# EAGLE board makey_makey_panel_v13 (EAGLE 6.5.0), part 2 of 4
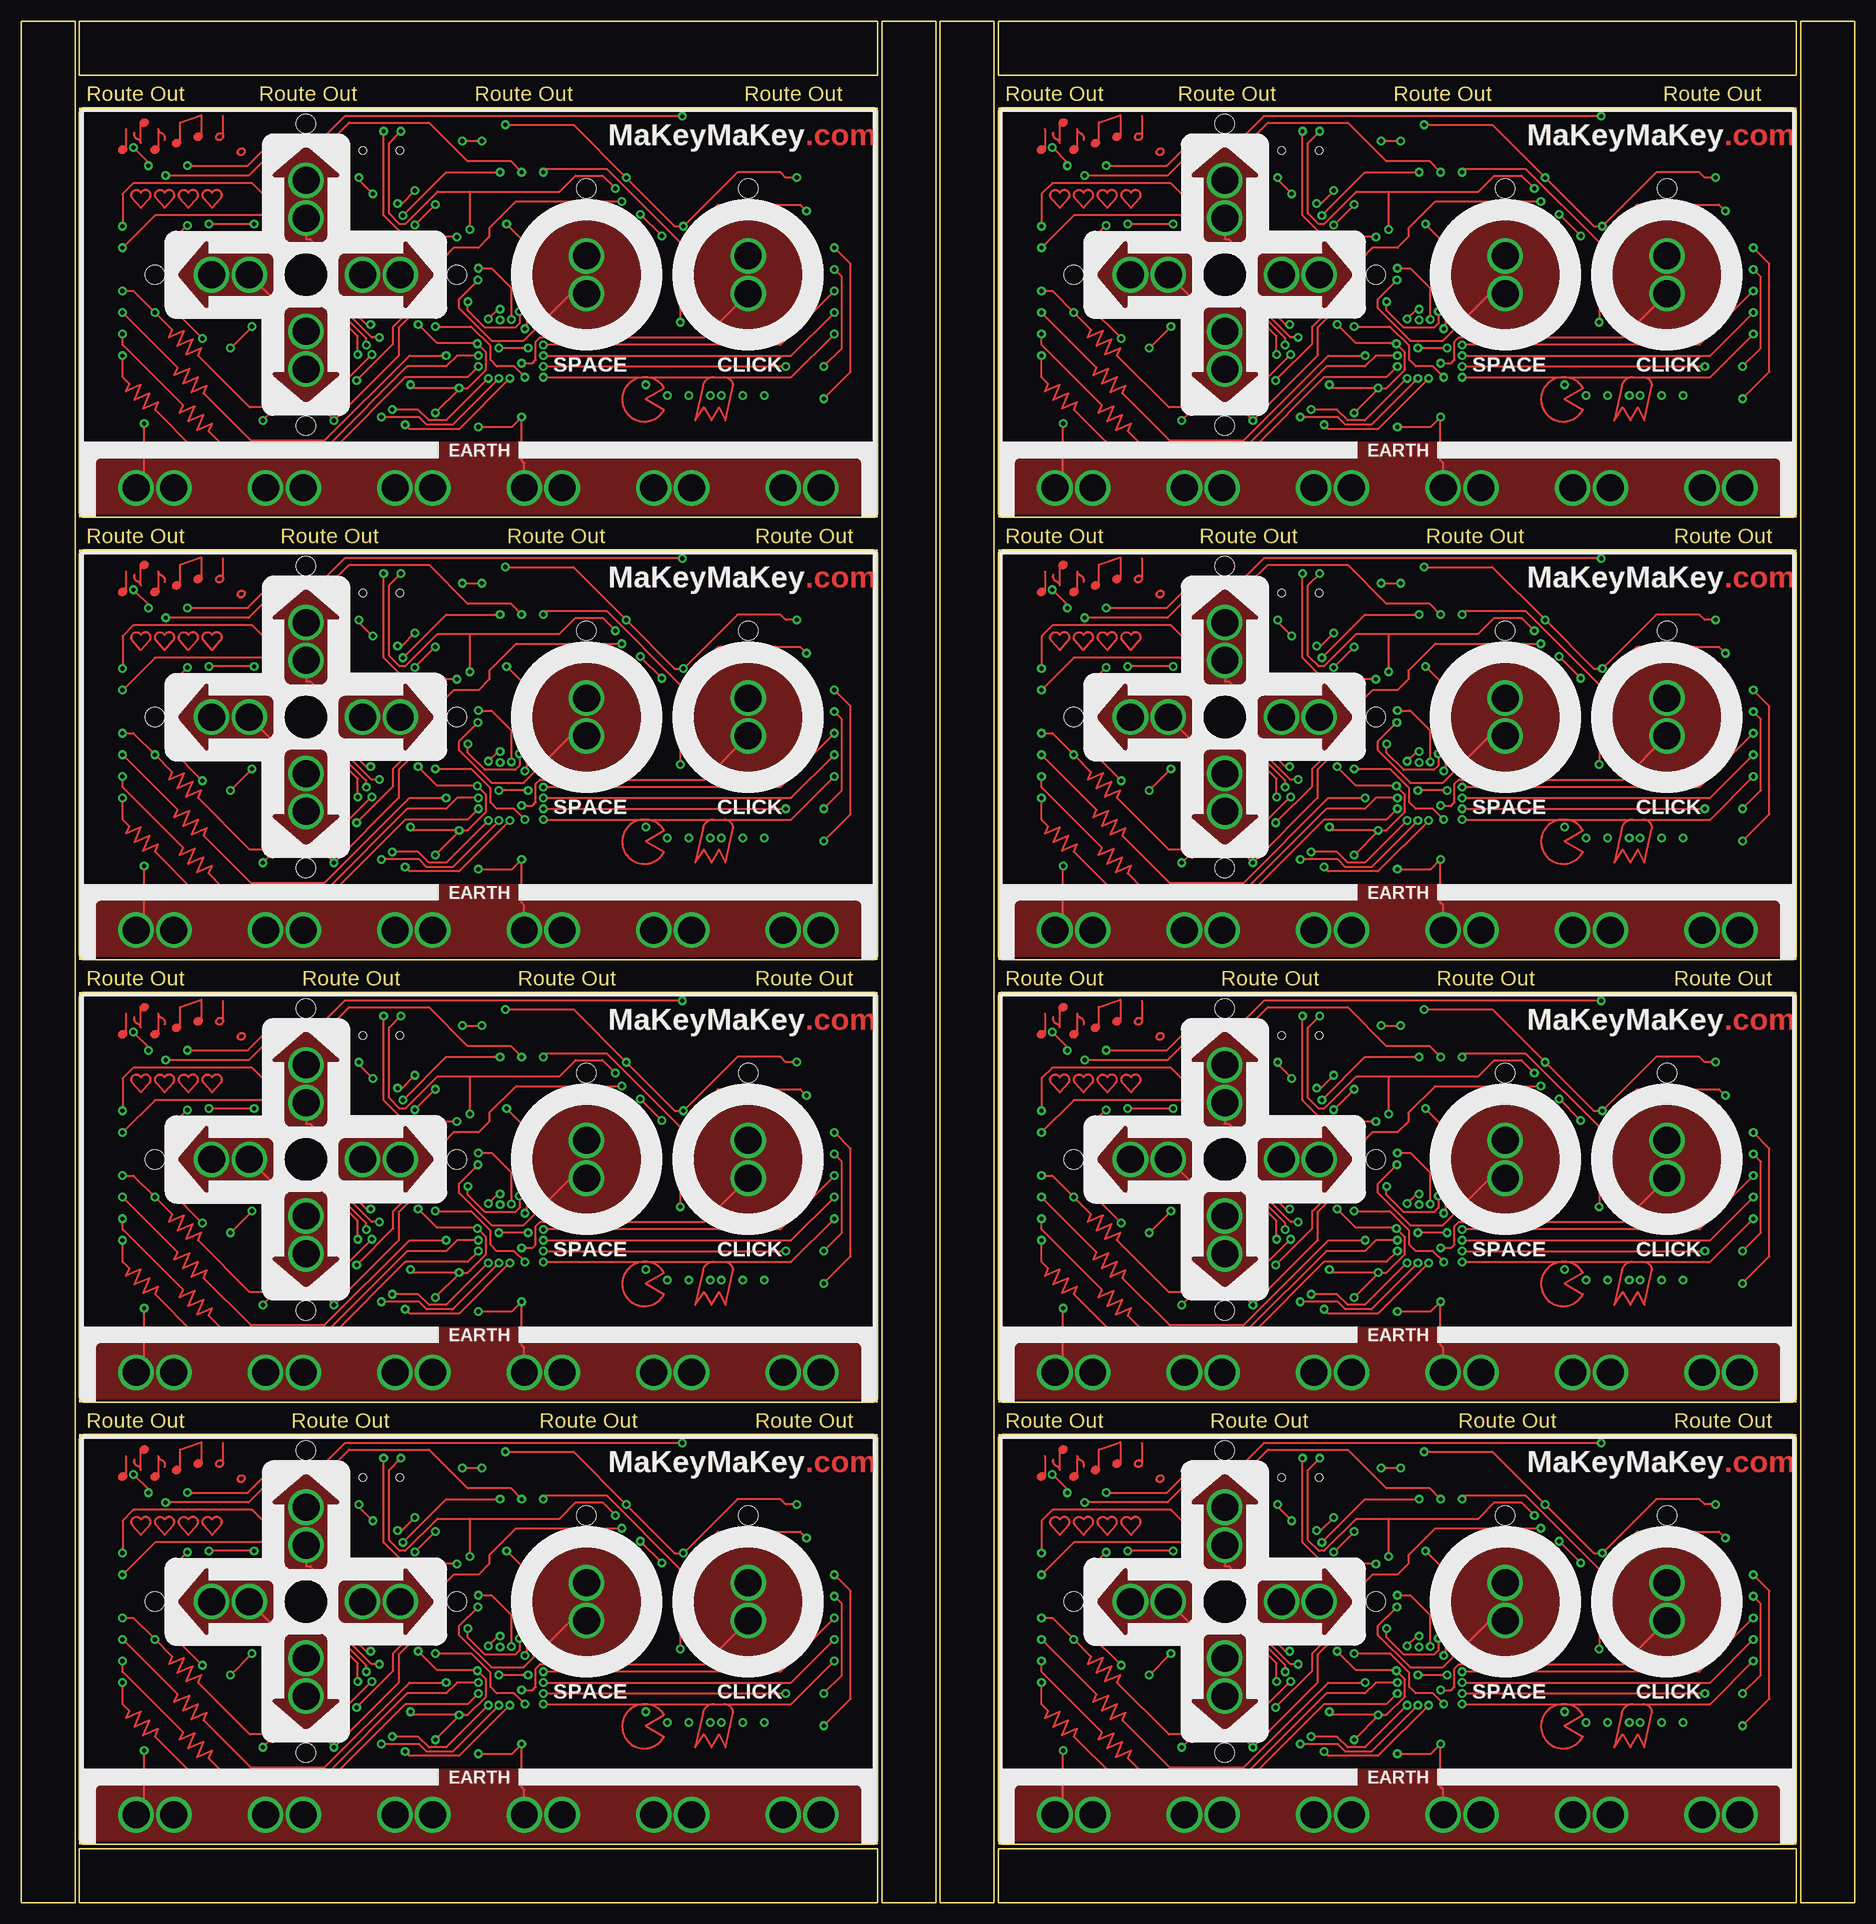
[diagram p0: board, top side]
## Tracks (layer width: path | path; a pad name or v marks a point on that pad's centre or on a via) (continued)
A7  (via drill 0.51) (continued)
  Top 0.254: v53.85,77.98 51.31,77.98 50.04,76.71 45.47,76.71 36.2,67.44 23.75,67.44 22.1,69.09 22.48,69.98 20.7,69.22 21.46,70.99 19.68,70.23 20.45,72.01 18.67,71.25 19.05,72.14 11.94,79.25 v11.94,80.52
  Bottom 0.254: JP24.2-2 11.94,81.79 | 11.94,81.79 JP24.2 | U2.37 53.52,77.65 v53.85,77.98 | 11.94,81.79 v11.94,80.52 14.48,80.52 16.26,78.74 R47.1
A8  (via drill 0.51)
  Top 0.254: v50.04,77.98 45.72,77.98 35.69,67.94 27.05,67.94 21.46,73.53 21.84,74.42 20.07,73.66 20.83,75.44 19.05,74.68 19.81,76.45 18.03,75.69 18.41,76.58 v11.94,83.06
  Bottom 0.254: JP24.3-2 11.94,84.33 | 11.94,84.33 JP24.3 | U2.38 50.51,78.45 v50.04,77.98 | 11.94,84.33 v11.94,83.06 14.48,83.06 16.26,81.28 R46.1
A9  (via drill 0.51)
  Top 0.254: v41.27,78.11 35.05,71.88 26.92,71.88 20.83,77.98 21.21,78.87 19.43,78.11 20.19,79.88 18.41,79.12 19.18,80.9 17.4,80.14 17.78,81.03 v15.75,83.06 13.21,85.6 v11.94,85.6
  Bottom 0.254: JP24.4 11.94,86.87 | 11.94,86.87 JP24.4-2 | U2.39 49.91,79.25 49.28,78.61 41.78,78.61 v41.27,78.11 | v11.94,85.6 11.94,86.87 | R45.1 16.51,83.82 v15.75,83.06
A10  (via drill 0.51)
  Top 0.254: v11.94,90.68 15.75,94.49 28.32,94.49 28.96,93.85 28.96,91.44 30.35,90.04 30.35,85.34 30.86,84.84 35.81,84.84 40.64,80.01 v40.64,79.25
  Bottom 0.254: JP24.5-2 11.94,89.41 | 11.94,89.41 JP24.5 | 11.94,89.41 v11.94,90.68 15.75,90.68 17.02,91.95 17.02,94.49 17.4,94.87 R50.1 | U2.40 49.82,80.05 49.02,79.25 v40.64,79.25
A11  (via drill 0.51)
  Top 0.254: v11.94,93.22 11.94,97.03 13.21,98.3 27.18,98.3 29.72,95.76 29.72,91.95 31.5,90.17 34.8,90.17 36.2,88.77 36.2,85.22 41.27,80.14 v42.16,80.14
  Bottom 0.254: JP24.6 11.94,91.95 | 11.94,91.95 JP24.6-2 | 11.94,91.95 v11.94,93.22 13.34,93.22 17.14,97.03 R49.1 | U2.41 49.73,80.85 48.77,79.88 42.42,79.88 v42.16,80.14
A12  (via drill 0.51)
  Top 0.254: v53.85,128.78 52.58,127.51 45.21,127.51 36.7,119 20.45,119 15.75,123.7 16.13,124.59 14.35,123.83 15.11,125.6 13.34,124.84 14.1,126.62 12.32,125.86 12.7,126.75 11.94,127.51 v11.94,130.05
  Bottom 0.254: JP37.1-2 11.94,131.32 | 11.94,131.32 JP37.1 | U3.36 53.71,128.92 v53.85,128.78 | 11.94,131.32 v11.94,130.05 13.72,128.27 R77.1
A13  (via drill 0.51)
  Top 0.254: v53.85,130.05 51.31,130.05 50.04,128.78 45.47,128.78 36.2,119.51 23.75,119.51 22.1,121.16 22.48,122.05 20.7,121.28 21.46,123.06 19.68,122.3 20.45,124.08 18.67,123.32 19.05,124.21 11.94,131.32 v11.94,132.59
  Bottom 0.254: JP37.2-2 11.94,133.86 | 11.94,133.86 JP37.2 | U3.37 53.52,129.72 v53.85,130.05 | 11.94,133.86 v11.94,132.59 14.48,132.59 16.26,130.81 R76.1
A14  (via drill 0.51)
  Top 0.254: v50.04,130.05 45.72,130.05 35.69,120.02 27.05,120.02 21.46,125.6 21.84,126.49 20.07,125.73 20.83,127.51 19.05,126.75 19.81,128.52 18.03,127.76 18.41,128.65 v11.94,135.13
  Bottom 0.254: JP37.3-2 11.94,136.4 | 11.94,136.4 JP37.3 | U3.38 50.51,130.52 v50.04,130.05 | 11.94,136.4 v11.94,135.13 14.48,135.13 16.26,133.35 R75.1
A15  (via drill 0.51)
  Top 0.254: v41.27,130.18 35.05,123.95 26.92,123.95 20.83,130.05 21.21,130.94 19.43,130.18 20.19,131.95 18.41,131.19 19.18,132.97 17.4,132.21 17.78,133.1 v15.75,135.13 13.21,137.67 v11.94,137.67
  Bottom 0.254: JP37.4 11.94,138.94 | 11.94,138.94 JP37.4-2 | U3.39 49.91,131.32 49.28,130.68 41.78,130.68 v41.27,130.18 | v11.94,137.67 11.94,138.94 | R74.1 16.51,135.89 v15.75,135.13
A16  (via drill 0.51)
  Top 0.254: v11.94,142.75 15.75,146.56 28.32,146.56 28.96,145.92 28.96,143.51 30.35,142.11 30.35,137.41 30.86,136.91 35.81,136.91 40.64,132.08 v40.64,131.32
  Bottom 0.254: JP37.5-2 11.94,141.48 | 11.94,141.48 JP37.5 | 11.94,141.48 v11.94,142.75 15.75,142.75 17.02,144.02 17.02,146.56 17.4,146.94 R79.1 | U3.40 49.82,132.12 49.02,131.32 v40.64,131.32
A17  (via drill 0.51)
  Top 0.254: v11.94,145.29 11.94,149.1 13.21,150.37 27.18,150.37 29.72,147.83 29.72,144.02 31.5,142.24 34.8,142.24 36.2,140.84 36.2,137.29 41.27,132.21 v42.16,132.21
  Bottom 0.254: JP37.6 11.94,144.02 | 11.94,144.02 JP37.6-2 | 11.94,144.02 v11.94,145.29 13.34,145.29 17.14,149.1 R78.1 | U3.41 49.73,132.92 48.77,131.95 42.42,131.95 v42.16,132.21
A18  (via drill 0.51)
  Top 0.254: v53.85,180.85 52.58,179.58 45.21,179.58 36.7,171.07 20.45,171.07 15.75,175.77 16.13,176.66 14.35,175.9 15.11,177.67 13.34,176.91 14.1,178.69 12.32,177.93 12.7,178.82 11.94,179.58 v11.94,182.12
  Bottom 0.254: JP50.1-2 11.94,183.39 | 11.94,183.39 JP50.1 | U4.36 53.71,180.99 v53.85,180.85 | 11.94,183.39 v11.94,182.12 13.72,180.34 R106.1
A19  (via drill 0.51)
  Top 0.254: v53.85,182.12 51.31,182.12 50.04,180.85 45.47,180.85 36.2,171.58 23.75,171.58 22.1,173.23 22.48,174.12 20.7,173.35 21.46,175.13 19.68,174.37 20.45,176.15 18.67,175.39 19.05,176.28 11.94,183.39 v11.94,184.66
  Bottom 0.254: JP50.2-2 11.94,185.93 | 11.94,185.93 JP50.2 | U4.37 53.52,181.79 v53.85,182.12 | 11.94,185.93 v11.94,184.66 14.48,184.66 16.26,182.88 R105.1
A20  (via drill 0.51)
  Top 0.254: v50.04,182.12 45.72,182.12 35.69,172.09 27.05,172.09 21.46,177.67 21.84,178.56 20.07,177.8 20.83,179.58 19.05,178.82 19.81,180.59 18.03,179.83 18.41,180.72 v11.94,187.2
  Bottom 0.254: JP50.3-2 11.94,188.47 | 11.94,188.47 JP50.3 | U4.38 50.51,182.59 v50.04,182.12 | 11.94,188.47 v11.94,187.2 14.48,187.2 16.26,185.42 R104.1
A21  (via drill 0.51)
  Top 0.254: v41.27,182.25 35.05,176.02 26.92,176.02 20.83,182.12 21.21,183.01 19.43,182.25 20.19,184.02 18.41,183.26 19.18,185.04 17.4,184.28 17.78,185.17 v15.75,187.2 13.21,189.74 v11.94,189.74
  Bottom 0.254: JP50.4 11.94,191.01 | 11.94,191.01 JP50.4-2 | U4.39 49.91,183.39 49.28,182.75 41.78,182.75 v41.27,182.25 | v11.94,189.74 11.94,191.01 | R103.1 16.51,187.96 v15.75,187.2
A22  (via drill 0.51)
  Top 0.254: v11.94,194.82 15.75,198.63 28.32,198.63 28.96,197.99 28.96,195.58 30.35,194.18 30.35,189.48 30.86,188.98 35.81,188.98 40.64,184.15 v40.64,183.39
  Bottom 0.254: JP50.5-2 11.94,193.55 | 11.94,193.55 JP50.5 | 11.94,193.55 v11.94,194.82 15.75,194.82 17.02,196.09 17.02,198.63 17.4,199.01 R108.1 | U4.40 49.82,184.19 49.02,183.39 v40.64,183.39
A23  (via drill 0.51)
  Top 0.254: v11.94,197.36 11.94,201.17 13.21,202.44 27.18,202.44 29.72,199.9 29.72,196.09 31.5,194.31 34.8,194.31 36.2,192.91 36.2,189.36 41.27,184.28 v42.16,184.28
  Bottom 0.254: JP50.6 11.94,196.09 | 11.94,196.09 JP50.6-2 | 11.94,196.09 v11.94,197.36 13.34,197.36 17.14,201.17 R107.1 | U4.41 49.73,184.99 48.77,184.02 42.42,184.02 v42.16,184.28
A24  (via drill 0.51)
  Top 0.254: v162.05,24.64 160.78,23.37 153.42,23.37 144.91,14.86 128.65,14.86 123.95,19.56 124.33,20.45 122.56,19.68 123.32,21.46 121.54,20.7 122.3,22.48 120.52,21.72 120.9,22.61 120.14,23.37 v120.14,25.91
  Bottom 0.254: JP63.1-2 120.14,27.18 | 120.14,27.18 JP63.1 | U5.36 161.91,24.78 v162.05,24.64 | 120.14,27.18 v120.14,25.91 121.92,24.13 R135.1
A25  (via drill 0.51)
  Top 0.254: v162.05,25.91 159.51,25.91 158.24,24.64 153.67,24.64 144.4,15.37 131.95,15.37 130.3,17.02 130.68,17.91 128.91,17.14 129.67,18.92 127.89,18.16 128.65,19.94 126.87,19.18 127.25,20.07 120.14,27.18 v120.14,28.45
  Bottom 0.254: JP63.2-2 120.14,29.72 | 120.14,29.72 JP63.2 | U5.37 161.72,25.58 v162.05,25.91 | 120.14,29.72 v120.14,28.45 122.68,28.45 124.46,26.67 R134.1
A26  (via drill 0.51)
  Top 0.254: v158.24,25.91 153.92,25.91 143.89,15.88 135.25,15.88 129.67,21.46 130.05,22.35 128.27,21.59 129.03,23.37 127.25,22.61 128.02,24.38 126.24,23.62 126.62,24.51 v120.14,30.99
  Bottom 0.254: JP63.3-2 120.14,32.26 | 120.14,32.26 JP63.3 | U5.38 158.71,26.38 v158.24,25.91 | 120.14,32.26 v120.14,30.99 122.68,30.99 124.46,29.21 R133.1
A27  (via drill 0.51)
  Top 0.254: v149.48,26.04 143.26,19.81 135.13,19.81 129.03,25.91 129.41,26.8 127.64,26.04 128.4,27.81 126.62,27.05 127.38,28.83 125.6,28.07 125.98,28.96 v123.95,30.99 121.41,33.53 v120.14,33.53
  Bottom 0.254: JP63.4 120.14,34.8 | 120.14,34.8 JP63.4-2 | U5.39 158.12,27.18 157.48,26.54 149.99,26.54 v149.48,26.04 | v120.14,33.53 120.14,34.8 | R132.1 124.71,31.75 v123.95,30.99
A28  (via drill 0.51)
  Top 0.254: v120.14,38.61 123.95,42.42 136.53,42.42 137.16,41.78 137.16,39.37 138.56,37.97 138.56,33.27 139.06,32.77 144.02,32.77 148.84,27.94 v148.84,27.18
  Bottom 0.254: JP63.5-2 120.14,37.34 | 120.14,37.34 JP63.5 | 120.14,37.34 v120.14,38.61 123.95,38.61 125.22,39.88 125.22,42.42 125.6,42.8 R137.1 | U5.40 158.03,27.98 157.23,27.18 v148.84,27.18
A29  (via drill 0.51)
  Top 0.254: v120.14,41.15 120.14,44.96 121.41,46.23 135.38,46.23 137.92,43.69 137.92,39.88 139.7,38.1 143,38.1 144.4,36.7 144.4,33.15 149.48,28.07 v150.37,28.07
  Bottom 0.254: JP63.6 120.14,39.88 | 120.14,39.88 JP63.6-2 | 120.14,39.88 v120.14,41.15 121.54,41.15 125.35,44.96 R136.1 | U5.41 157.94,28.78 156.97,27.81 150.62,27.81 v150.37,28.07
A30  (via drill 0.51)
  Top 0.254: v162.05,76.71 160.78,75.44 153.42,75.44 144.91,66.93 128.65,66.93 123.95,71.63 124.33,72.52 122.56,71.75 123.32,73.53 121.54,72.77 122.3,74.55 120.52,73.79 120.9,74.68 120.14,75.44 v120.14,77.98
  Bottom 0.254: JP76.1-2 120.14,79.25 | 120.14,79.25 JP76.1 | U6.36 161.91,76.85 v162.05,76.71 | 120.14,79.25 v120.14,77.98 121.92,76.2 R164.1
A31  (via drill 0.51)
  Top 0.254: v162.05,77.98 159.51,77.98 158.24,76.71 153.67,76.71 144.4,67.44 131.95,67.44 130.3,69.09 130.68,69.98 128.91,69.22 129.67,70.99 127.89,70.23 128.65,72.01 126.87,71.25 127.25,72.14 120.14,79.25 v120.14,80.52
  Bottom 0.254: JP76.2-2 120.14,81.79 | 120.14,81.79 JP76.2 | U6.37 161.72,77.65 v162.05,77.98 | 120.14,81.79 v120.14,80.52 122.68,80.52 124.46,78.74 R163.1
A32  (via drill 0.51)
  Top 0.254: v158.24,77.98 153.92,77.98 143.89,67.94 135.25,67.94 129.67,73.53 130.05,74.42 128.27,73.66 129.03,75.44 127.25,74.68 128.02,76.45 126.24,75.69 126.62,76.58 v120.14,83.06
  Bottom 0.254: JP76.3-2 120.14,84.33 | 120.14,84.33 JP76.3 | U6.38 158.71,78.45 v158.24,77.98 | 120.14,84.33 v120.14,83.06 122.68,83.06 124.46,81.28 R162.1
A33  (via drill 0.51)
  Top 0.254: v149.48,78.11 143.26,71.88 135.13,71.88 129.03,77.98 129.41,78.87 127.64,78.11 128.4,79.88 126.62,79.12 127.38,80.9 125.6,80.14 125.98,81.03 v123.95,83.06 121.41,85.6 v120.14,85.6
  Bottom 0.254: JP76.4 120.14,86.87 | 120.14,86.87 JP76.4-2 | U6.39 158.12,79.25 157.48,78.61 149.99,78.61 v149.48,78.11 | v120.14,85.6 120.14,86.87 | R161.1 124.71,83.82 v123.95,83.06
A34  (via drill 0.51)
  Top 0.254: v120.14,90.68 123.95,94.49 136.53,94.49 137.16,93.85 137.16,91.44 138.56,90.04 138.56,85.34 139.06,84.84 144.02,84.84 148.84,80.01 v148.84,79.25
  Bottom 0.254: JP76.5-2 120.14,89.41 | 120.14,89.41 JP76.5 | 120.14,89.41 v120.14,90.68 123.95,90.68 125.22,91.95 125.22,94.49 125.6,94.87 R166.1 | U6.40 158.03,80.05 157.23,79.25 v148.84,79.25
A35  (via drill 0.51)
  Top 0.254: v120.14,93.22 120.14,97.03 121.41,98.3 135.38,98.3 137.92,95.76 137.92,91.95 139.7,90.17 143,90.17 144.4,88.77 144.4,85.22 149.48,80.14 v150.37,80.14
  Bottom 0.254: JP76.6 120.14,91.95 | 120.14,91.95 JP76.6-2 | 120.14,91.95 v120.14,93.22 121.54,93.22 125.35,97.03 R165.1 | U6.41 157.94,80.85 156.97,79.88 150.62,79.88 v150.37,80.14
A36  (via drill 0.51)
  Top 0.254: v162.05,128.78 160.78,127.51 153.42,127.51 144.91,119 128.65,119 123.95,123.7 124.33,124.59 122.56,123.83 123.32,125.6 121.54,124.84 122.3,126.62 120.52,125.86 120.9,126.75 120.14,127.51 v120.14,130.05
  Bottom 0.254: JP89.1-2 120.14,131.32 | 120.14,131.32 JP89.1 | U7.36 161.91,128.92 v162.05,128.78 | 120.14,131.32 v120.14,130.05 121.92,128.27 R193.1
A37  (via drill 0.51)
  Top 0.254: v162.05,130.05 159.51,130.05 158.24,128.78 153.67,128.78 144.4,119.51 131.95,119.51 130.3,121.16 130.68,122.05 128.91,121.28 129.67,123.06 127.89,122.3 128.65,124.08 126.87,123.32 127.25,124.21 120.14,131.32 v120.14,132.59
  Bottom 0.254: JP89.2-2 120.14,133.86 | 120.14,133.86 JP89.2 | U7.37 161.72,129.72 v162.05,130.05 | 120.14,133.86 v120.14,132.59 122.68,132.59 124.46,130.81 R192.1
A38  (via drill 0.51)
  Top 0.254: v158.24,130.05 153.92,130.05 143.89,120.02 135.25,120.02 129.67,125.6 130.05,126.49 128.27,125.73 129.03,127.51 127.25,126.75 128.02,128.52 126.24,127.76 126.62,128.65 v120.14,135.13
  Bottom 0.254: JP89.3-2 120.14,136.4 | 120.14,136.4 JP89.3 | U7.38 158.71,130.52 v158.24,130.05 | 120.14,136.4 v120.14,135.13 122.68,135.13 124.46,133.35 R191.1
A39  (via drill 0.51)
  Top 0.254: v149.48,130.18 143.26,123.95 135.13,123.95 129.03,130.05 129.41,130.94 127.64,130.18 128.4,131.95 126.62,131.19 127.38,132.97 125.6,132.21 125.98,133.1 v123.95,135.13 121.41,137.67 v120.14,137.67
  Bottom 0.254: JP89.4 120.14,138.94 | 120.14,138.94 JP89.4-2 | U7.39 158.12,131.32 157.48,130.68 149.99,130.68 v149.48,130.18 | v120.14,137.67 120.14,138.94 | R190.1 124.71,135.89 v123.95,135.13
A40  (via drill 0.51)
  Top 0.254: v120.14,142.75 123.95,146.56 136.53,146.56 137.16,145.92 137.16,143.51 138.56,142.11 138.56,137.41 139.06,136.91 144.02,136.91 148.84,132.08 v148.84,131.32
  Bottom 0.254: JP89.5-2 120.14,141.48 | 120.14,141.48 JP89.5 | 120.14,141.48 v120.14,142.75 123.95,142.75 125.22,144.02 125.22,146.56 125.6,146.94 R195.1 | U7.40 158.03,132.12 157.23,131.32 v148.84,131.32
A41  (via drill 0.51)
  Top 0.254: v120.14,145.29 120.14,149.1 121.41,150.37 135.38,150.37 137.92,147.83 137.92,144.02 139.7,142.24 143,142.24 144.4,140.84 144.4,137.29 149.48,132.21 v150.37,132.21
  Bottom 0.254: JP89.6 120.14,144.02 | 120.14,144.02 JP89.6-2 | 120.14,144.02 v120.14,145.29 121.54,145.29 125.35,149.1 R194.1 | U7.41 157.94,132.92 156.97,131.95 150.62,131.95 v150.37,132.21
A42  (via drill 0.51)
  Top 0.254: v162.05,180.85 160.78,179.58 153.42,179.58 144.91,171.07 128.65,171.07 123.95,175.77 124.33,176.66 122.56,175.9 123.32,177.67 121.54,176.91 122.3,178.69 120.52,177.93 120.9,178.82 120.14,179.58 v120.14,182.12
  Bottom 0.254: JP102.1-2 120.14,183.39 | 120.14,183.39 JP102.1 | U8.36 161.91,180.99 v162.05,180.85 | 120.14,183.39 v120.14,182.12 121.92,180.34 R222.1
A43  (via drill 0.51)
  Top 0.254: v162.05,182.12 159.51,182.12 158.24,180.85 153.67,180.85 144.4,171.58 131.95,171.58 130.3,173.23 130.68,174.12 128.91,173.35 129.67,175.13 127.89,174.37 128.65,176.15 126.87,175.39 127.25,176.28 120.14,183.39 v120.14,184.66
  Bottom 0.254: JP102.2-2 120.14,185.93 | 120.14,185.93 JP102.2 | U8.37 161.72,181.79 v162.05,182.12 | 120.14,185.93 v120.14,184.66 122.68,184.66 124.46,182.88 R221.1
A44  (via drill 0.51)
  Top 0.254: v158.24,182.12 153.92,182.12 143.89,172.09 135.25,172.09 129.67,177.67 130.05,178.56 128.27,177.8 129.03,179.58 127.25,178.82 128.02,180.59 126.24,179.83 126.62,180.72 v120.14,187.2
  Bottom 0.254: JP102.3-2 120.14,188.47 | 120.14,188.47 JP102.3 | U8.38 158.71,182.59 v158.24,182.12 | 120.14,188.47 v120.14,187.2 122.68,187.2 124.46,185.42 R220.1
A45  (via drill 0.51)
  Top 0.254: v149.48,182.25 143.26,176.02 135.13,176.02 129.03,182.12 129.41,183.01 127.64,182.25 128.4,184.02 126.62,183.26 127.38,185.04 125.6,184.28 125.98,185.17 v123.95,187.2 121.41,189.74 v120.14,189.74
  Bottom 0.254: JP102.4 120.14,191.01 | 120.14,191.01 JP102.4-2 | U8.39 158.12,183.39 157.48,182.75 149.99,182.75 v149.48,182.25 | v120.14,189.74 120.14,191.01 | R219.1 124.71,187.96 v123.95,187.2
A46  (via drill 0.51)
  Top 0.254: v120.14,194.82 123.95,198.63 136.53,198.63 137.16,197.99 137.16,195.58 138.56,194.18 138.56,189.48 139.06,188.98 144.02,188.98 148.84,184.15 v148.84,183.39
  Bottom 0.254: JP102.5-2 120.14,193.55 | 120.14,193.55 JP102.5 | 120.14,193.55 v120.14,194.82 123.95,194.82 125.22,196.09 125.22,198.63 125.6,199.01 R224.1 | U8.40 158.03,184.19 157.23,183.39 v148.84,183.39
A47  (via drill 0.51)
  Top 0.254: v120.14,197.36 120.14,201.17 121.41,202.44 135.38,202.44 137.92,199.9 137.92,196.09 139.7,194.31 143,194.31 144.4,192.91 144.4,189.36 149.48,184.28 v150.37,184.28
  Bottom 0.254: JP102.6 120.14,196.09 | 120.14,196.09 JP102.6-2 | 120.14,196.09 v120.14,197.36 121.54,197.36 125.35,201.17 R223.1 | U8.41 157.94,184.99 156.97,184.02 150.62,184.02 v150.37,184.28
AREF
  Bottom 0.254: 50.04,29.72 C1.2 50.34,29.58 U1.42
AREF1
  Bottom 0.254: 50.04,81.79 C9.2 50.34,81.65 U2.42
AREF2
  Bottom 0.254: 50.04,133.86 C17.2 50.34,133.72 U3.42
AREF3
  Bottom 0.254: 50.04,185.93 C25.2 50.34,185.79 U4.42
AREF4
  Bottom 0.254: 158.24,29.72 C33.2 158.55,29.58 U5.42
AREF5
  Bottom 0.254: 158.24,81.79 C41.2 158.55,81.65 U6.42
AREF6
  Bottom 0.254: 158.24,133.86 C49.2 158.55,133.72 U7.42
AREF7
  Bottom 0.254: 158.24,185.93 C57.2 158.55,185.79 U8.42
D0  (via drill 0.51)
  Top 0.254: v61.47,24.64 v90.04,24.64
  Bottom 0.254: U1.20 61.61,24.78 v61.47,24.64 | JP13.6-2 JP13.6 90.68,27.18 90.26,26.76 R10.1 90.26,24.85 v90.04,24.64
D1  (via drill 0.51)
  Top 0.254: 82.8,23.37 90.68,23.37 v95.76,28.45 | 81.53,23.37 arc77 80.26,22.35 79.38,18.29 80.39,19.81 81.28,18.29 82.17,19.81 82.93,18.29 83.82,22.35 arc90 82.8,23.37 | v61.47,23.37 73.41,23.37 | 73.41,23.37 73.53,23.37 | 73.53,23.37 82.8,23.37 | 73.41,23.37 arc243 75.69,19.56 73.53,20.83 75.69,22.1 arc60 73.53,23.37
  Bottom 0.254: U1.21 62.08,23.98 v61.47,23.37 | JP13.5 95.76,29.72 | 95.76,29.72 JP13.5-2 90.68,29.72 90.26,29.3 R11.1 | v95.76,28.45 95.76,29.72
D2  (via drill 0.51)
  Top 0.254: v61.47,25.91 90.68,25.91 v95.76,30.99
  Bottom 0.254: U1.19 61.8,25.58 v61.47,25.91 | v95.76,30.99 95.76,32.26 | 95.76,32.26 JP13.4-2 | 95.76,32.26 JP13.4 90.68,32.26 90.26,31.84 R12.1
D3  (via drill 0.51)
  Top 0.254: v95.76,33.53 89.41,27.18 v61.47,27.18
  Bottom 0.254: U1.18 62.27,26.38 v61.47,27.18 | 95.76,34.8 JP13.3-2 90.68,34.8 90.26,34.38 R13.1 | 95.76,34.8 JP13.3 | v95.76,33.53 95.76,34.8
D4  (via drill 0.51)
  Top 0.254: v94.49,24.64 96.65,26.8 96.65,35.18 v95.76,36.07
  Bottom 0.254: 95.76,37.34 JP13.2 90.68,37.34 90.26,36.92 R14.1 | 95.76,37.34 JP13.2-2 | v94.49,24.64 88.14,18.29 62.61,18.29 60.83,20.07 60.43,20.07 60.06,20.43 U1.25 | v95.76,36.07 95.76,37.34
D5  (via drill 0.51)
  Top 0.254: v94.49,20.83 97.66,24 97.66,36.7 v95.76,38.61
  Bottom 0.254: v94.49,20.83 90.68,17.02 57.15,17.02 56.39,17.78 56.39,19.56 55.26,20.69 U1.31 | 95.76,39.88 JP13.1-2 90.68,39.88 90.26,39.46 R15.1 | 95.76,39.88 JP13.1 | v95.76,38.61 95.76,39.88
D6  (via drill 0.51)
  Top 0.254: v58.93,25.02 60.2,25.02 60.58,25.4 60.58,27.56 61.09,28.07 80.45,28.07 CLICK.1@0
  Bottom 0.254: U1.27 58.46,24.55 v58.93,25.02 | CLICK.1@0 82.11,33.21 81.79,33.53 R29.1
  pour Top (no thermals): 79.25,35.43 arc-90 85.6,41.78 arc-90 91.95,35.43 arc-90 85.6,29.08 arc-90
D7  (via drill 0.51)
  Top 0.254: v53.78,34.8 51.56,32.58 51.56,31.5 55.37,27.69 59.18,27.69 64.71,33.21 SPACE.1@0
  Bottom 0.254: U1.1 53.66,34.67 v53.78,34.8 | SPACE.1@0 70.04,33.21 70.36,33.53 R28.1
  pour Top (no thermals): 60.2,35.43 arc-90 66.55,41.78 arc-90 72.9,35.43 arc-90 66.55,29.08 arc-90
D8  (via drill 0.51)
  Top 0.254: v57.53,23.24 51.56,17.27 45.72,17.27 v45.21,17.78
  Bottom 0.254: U1.28 57.66,23.11 v57.53,23.24 | v45.21,17.78 45.21,19.56 40.45,24.32 DOWN.1@2 | DOWN.1@0 33.53,29.72 36.07,32.26 36.07,33.49 R26.1
  pour Top (no thermals): 36.07,24 36.07,30.81 arc90 35.25,31.62 31.8,31.62 arc90 30.99,30.81 30.99,24 29.85,24 arc139 29.67,23.5 33.11,20.55 arc81 33.94,20.55 37.39,23.5 arc139 37.21,24
D9  (via drill 0.51)
  Top 0.254: v56.26,23.24 50.8,17.78 47.75,17.78 46.86,18.67 v42.42,18.67
  Bottom 0.254: U1.29 56.86,22.64 v56.26,23.24 | v42.42,18.67 41.53,18.67 41.15,18.29 R20.1
D10  (via drill 0.51)
  Top 0.254: v54.99,23.24 50.04,18.29 48.01,18.29 46.74,19.56 v43.69,19.56
  Bottom 0.254: U1.30 56.06,22.17 v54.99,23.24 | R21.1 v43.69,19.56
D11  (via drill 0.51)
  Top 0.254: v57.72,30.16 57.72,33.84 55.37,36.2 v53.85,36.2
  Bottom 0.254: U1.12 60.39,31.18 59.37,30.16 v57.72,30.16 | v53.85,36.2 R22.1
D12  (via drill 0.51)
  Top 0.254: v59.31,23.37 58.04,24.64 56.01,24.64 55.24,25.4 55.24,27.05 52.96,29.34 v48.77,29.34 | v41.15,29.59 40.64,29.59 36.96,33.27 36.96,36.7 34.04,39.62 33.53,39.62 UP.1@2
  Bottom 0.254: U1.26 59.26,23.32 v59.31,23.37 | v48.77,29.34 48.01,28.57 44.45,28.57 43.43,29.59 v41.15,29.59 | UP.1@2 33.53,41.15 30.99,38.61 30.99,37.38 R24.1
  pour Top (no thermals): 30.99,46.86 30.99,40.06 arc90 31.8,39.24 35.25,39.24 arc90 36.07,40.06 36.07,46.86 37.21,46.86 arc139 37.39,47.36 33.94,50.32 arc81 33.11,50.32 29.67,47.36 arc139 29.85,46.86
D13  (via drill 0.51)
  Top 0.254: v39.62,26.04 39.62,28.19 35.69,32.13 30.16,32.13 LEFT.1@0
  Bottom 0.254: U1.32 54.46,20.42 54.23,20.19 45.47,20.19 v39.62,26.04 | R25.1 28.77,33.53 LEFT.1@0
  pour Top (no thermals): 22.1,32.89 28.9,32.89 arc90 29.72,33.71 29.72,37.16 arc90 28.9,37.97 22.1,37.97 22.1,39.11 arc139 21.6,39.3 18.64,35.85 arc81 18.64,35.02 21.6,31.57 arc139 22.1,31.76
D14
  Bottom 0.254: JP14.6 JP14.6-2 | JP14.6 62.74,48.77 | U1.11 61.66,42.61 62.74,43.69 JP14.6
D15  (via drill 0.51)
  Top 0.254: v58.67,31.11 58.67,29.72 58.17,29.21 54.61,29.21 52.58,31.24 v52.58,32.26 | v48.77,43.69 v46.35,41.27
  Bottom 0.254: U1.9 60.06,31.74 59.44,31.11 v58.67,31.11 | v52.58,32.26 51.94,32.26 51.69,32.51 47.56,32.51 RIGHT.1@0 46.35,37.15 v46.35,41.27 | JP14.1 JP14.1-2 50.04,44.96 v48.77,43.69 | RIGHT.1@2 36.7,35.43 36.07,36.07 36.07,37.3 R27.1
  pour Top (no thermals): 44.96,37.97 38.15,37.97 arc90 37.34,37.16 37.34,33.71 arc90 38.15,32.89 44.96,32.89 44.96,31.76 arc139 45.46,31.57 48.41,35.02 arc81 48.41,35.85 45.46,39.3 arc139 44.96,39.11
D16
  Bottom 0.203: JP14.5 60.07,49.15
  Bottom 0.254: JP14.5 JP14.5-2 60.2,43.31 60.86,42.65 U1.10
D17  (via drill 0.51)
  Top 0.254: v17.02,47.12 26.8,47.12 30.61,50.93 36.2,50.93 38.61,53.34 48.01,53.34 52.58,48.77 57.66,48.77 v58.93,47.5
  Bottom 0.254: U1.8 59.26,34.11 59.56,34.42 59.56,43.05 58.93,43.69 v58.93,47.5 58.93,50.04 59.44,50.55 60.83,50.55 60.95,50.66 LED10.C | LED8.C 11.19,42.94 11.94,43.69 13.59,43.69 v17.02,47.12
D18
  Bottom 0.203: JP26.5 60.07,101.22
  Bottom 0.254: JP26.5 JP26.5-2 60.2,95.38 60.86,94.72 U2.10
D19
  Bottom 0.254: JP26.6 JP26.6-2 | JP26.6 62.74,100.84 | U2.11 61.66,94.68 62.74,95.76 JP26.6
D20  (via drill 0.51)
  Top 0.254: v58.67,83.19 58.67,81.79 58.17,81.28 54.61,81.28 52.58,83.31 v52.58,84.33 | v48.77,95.76 v46.35,93.34
  Bottom 0.254: U2.9 60.06,83.81 59.44,83.19 v58.67,83.19 | v52.58,84.33 51.94,84.33 51.69,84.58 47.56,84.58 RIGHT1.1@0 46.35,89.22 v46.35,93.34 | JP26.1 JP26.1-2 50.04,97.03 v48.77,95.76 | RIGHT1.1@2 36.7,87.5 36.07,88.14 36.07,89.37 R35.1
  pour Top (no thermals): 44.96,90.04 38.15,90.04 arc90 37.34,89.23 37.34,85.78 arc90 38.15,84.96 44.96,84.96 44.96,83.83 arc139 45.46,83.64 48.41,87.09 arc81 48.41,87.92 45.46,91.37 arc139 44.96,91.18
D21  (via drill 0.51)
  Top 0.254: v61.47,76.71 v90.04,76.71
  Bottom 0.254: U2.20 61.61,76.85 v61.47,76.71 | JP25.6-2 JP25.6 90.68,79.25 90.26,78.83 R44.1 90.26,76.92 v90.04,76.71
D22  (via drill 0.51)
  Top 0.254: 82.8,75.44 90.68,75.44 v95.76,80.52 | 81.53,75.44 arc77 80.26,74.42 79.38,70.36 80.39,71.88 81.28,70.36 82.17,71.88 82.93,70.36 83.82,74.42 arc90 82.8,75.44 | v61.47,75.44 73.41,75.44 | 73.41,75.44 73.53,75.44 | 73.53,75.44 82.8,75.44 | 73.41,75.44 arc243 75.69,71.63 73.53,72.9 75.69,74.17 arc60 73.53,75.44
  Bottom 0.254: U2.21 62.08,76.05 v61.47,75.44 | JP25.5 95.76,81.79 | 95.76,81.79 JP25.5-2 90.68,81.79 90.26,81.37 R43.1 | v95.76,80.52 95.76,81.79
D23  (via drill 0.51)
  Top 0.254: v61.47,77.98 90.68,77.98 v95.76,83.06
  Bottom 0.254: U2.19 61.8,77.65 v61.47,77.98 | v95.76,83.06 95.76,84.33 | 95.76,84.33 JP25.4-2 | 95.76,84.33 JP25.4 90.68,84.33 90.26,83.91 R42.1
D24  (via drill 0.51)
  Top 0.254: v95.76,85.6 89.41,79.25 v61.47,79.25
  Bottom 0.254: U2.18 62.27,78.45 v61.47,79.25 | 95.76,86.87 JP25.3-2 90.68,86.87 90.26,86.45 R41.1 | 95.76,86.87 JP25.3 | v95.76,85.6 95.76,86.87
D25  (via drill 0.51)
  Top 0.254: v94.49,76.71 96.65,78.87 96.65,87.25 v95.76,88.14
  Bottom 0.254: 95.76,89.41 JP25.2 90.68,89.41 90.26,88.99 R40.1 | 95.76,89.41 JP25.2-2 | v94.49,76.71 88.14,70.36 62.61,70.36 60.83,72.14 60.43,72.14 60.06,72.5 U2.25 | v95.76,88.14 95.76,89.41
D26  (via drill 0.51)
  Top 0.254: v53.78,86.87 51.56,84.64 51.56,83.57 55.37,79.76 59.18,79.76 64.71,85.28 SPACE1.1@0
  Bottom 0.254: U2.1 53.66,86.74 v53.78,86.87 | SPACE1.1@0 70.04,85.28 70.36,85.6 R34.1
  pour Top (no thermals): 60.2,87.5 arc-90 66.55,93.85 arc-90 72.9,87.5 arc-90 66.55,81.15 arc-90
D27  (via drill 0.51)
  Top 0.254: v57.72,82.23 57.72,85.92 55.37,88.27 v53.85,88.27
  Bottom 0.254: U2.12 60.39,83.25 59.37,82.23 v57.72,82.23 | v53.85,88.27 R54.1
D28  (via drill 0.51)
  Top 0.254: v59.31,75.44 58.04,76.71 56.01,76.71 55.24,77.47 55.24,79.12 52.96,81.41 v48.77,81.41 | v41.15,81.66 40.64,81.66 36.96,85.34 36.96,88.77 34.04,91.69 33.53,91.69 UP1.1@2
  Bottom 0.254: U2.26 59.26,75.39 v59.31,75.44 | v48.77,81.41 48.01,80.64 44.45,80.64 43.43,81.66 v41.15,81.66 | UP1.1@2 33.53,93.22 30.99,90.68 30.99,89.45 R38.1
  pour Top (no thermals): 30.99,98.93 30.99,92.13 arc90 31.8,91.31 35.25,91.31 arc90 36.07,92.13 36.07,98.93 37.21,98.93 arc139 37.39,99.43 33.94,102.39 arc81 33.11,102.39 29.67,99.43 arc139 29.85,98.93